# Altium PCB Copy of FPGA_Module.PcbDoc (part 3 of 3)
Units mm, origin at the board's own origin, x right, y up, seen from the top; angles counter-clockwise.
Board outline 40 x 50 mm, 6 copper layers (Top Layer, Int1 (GND), Int2 (Sign), Int3 (Sign), Int4 (GND), Bottom Layer), stack 1.49 mm thick; 166 components, 203 nets, 1172 pads, 436 vias.
Unrouted connection lines stored in the file: 464.
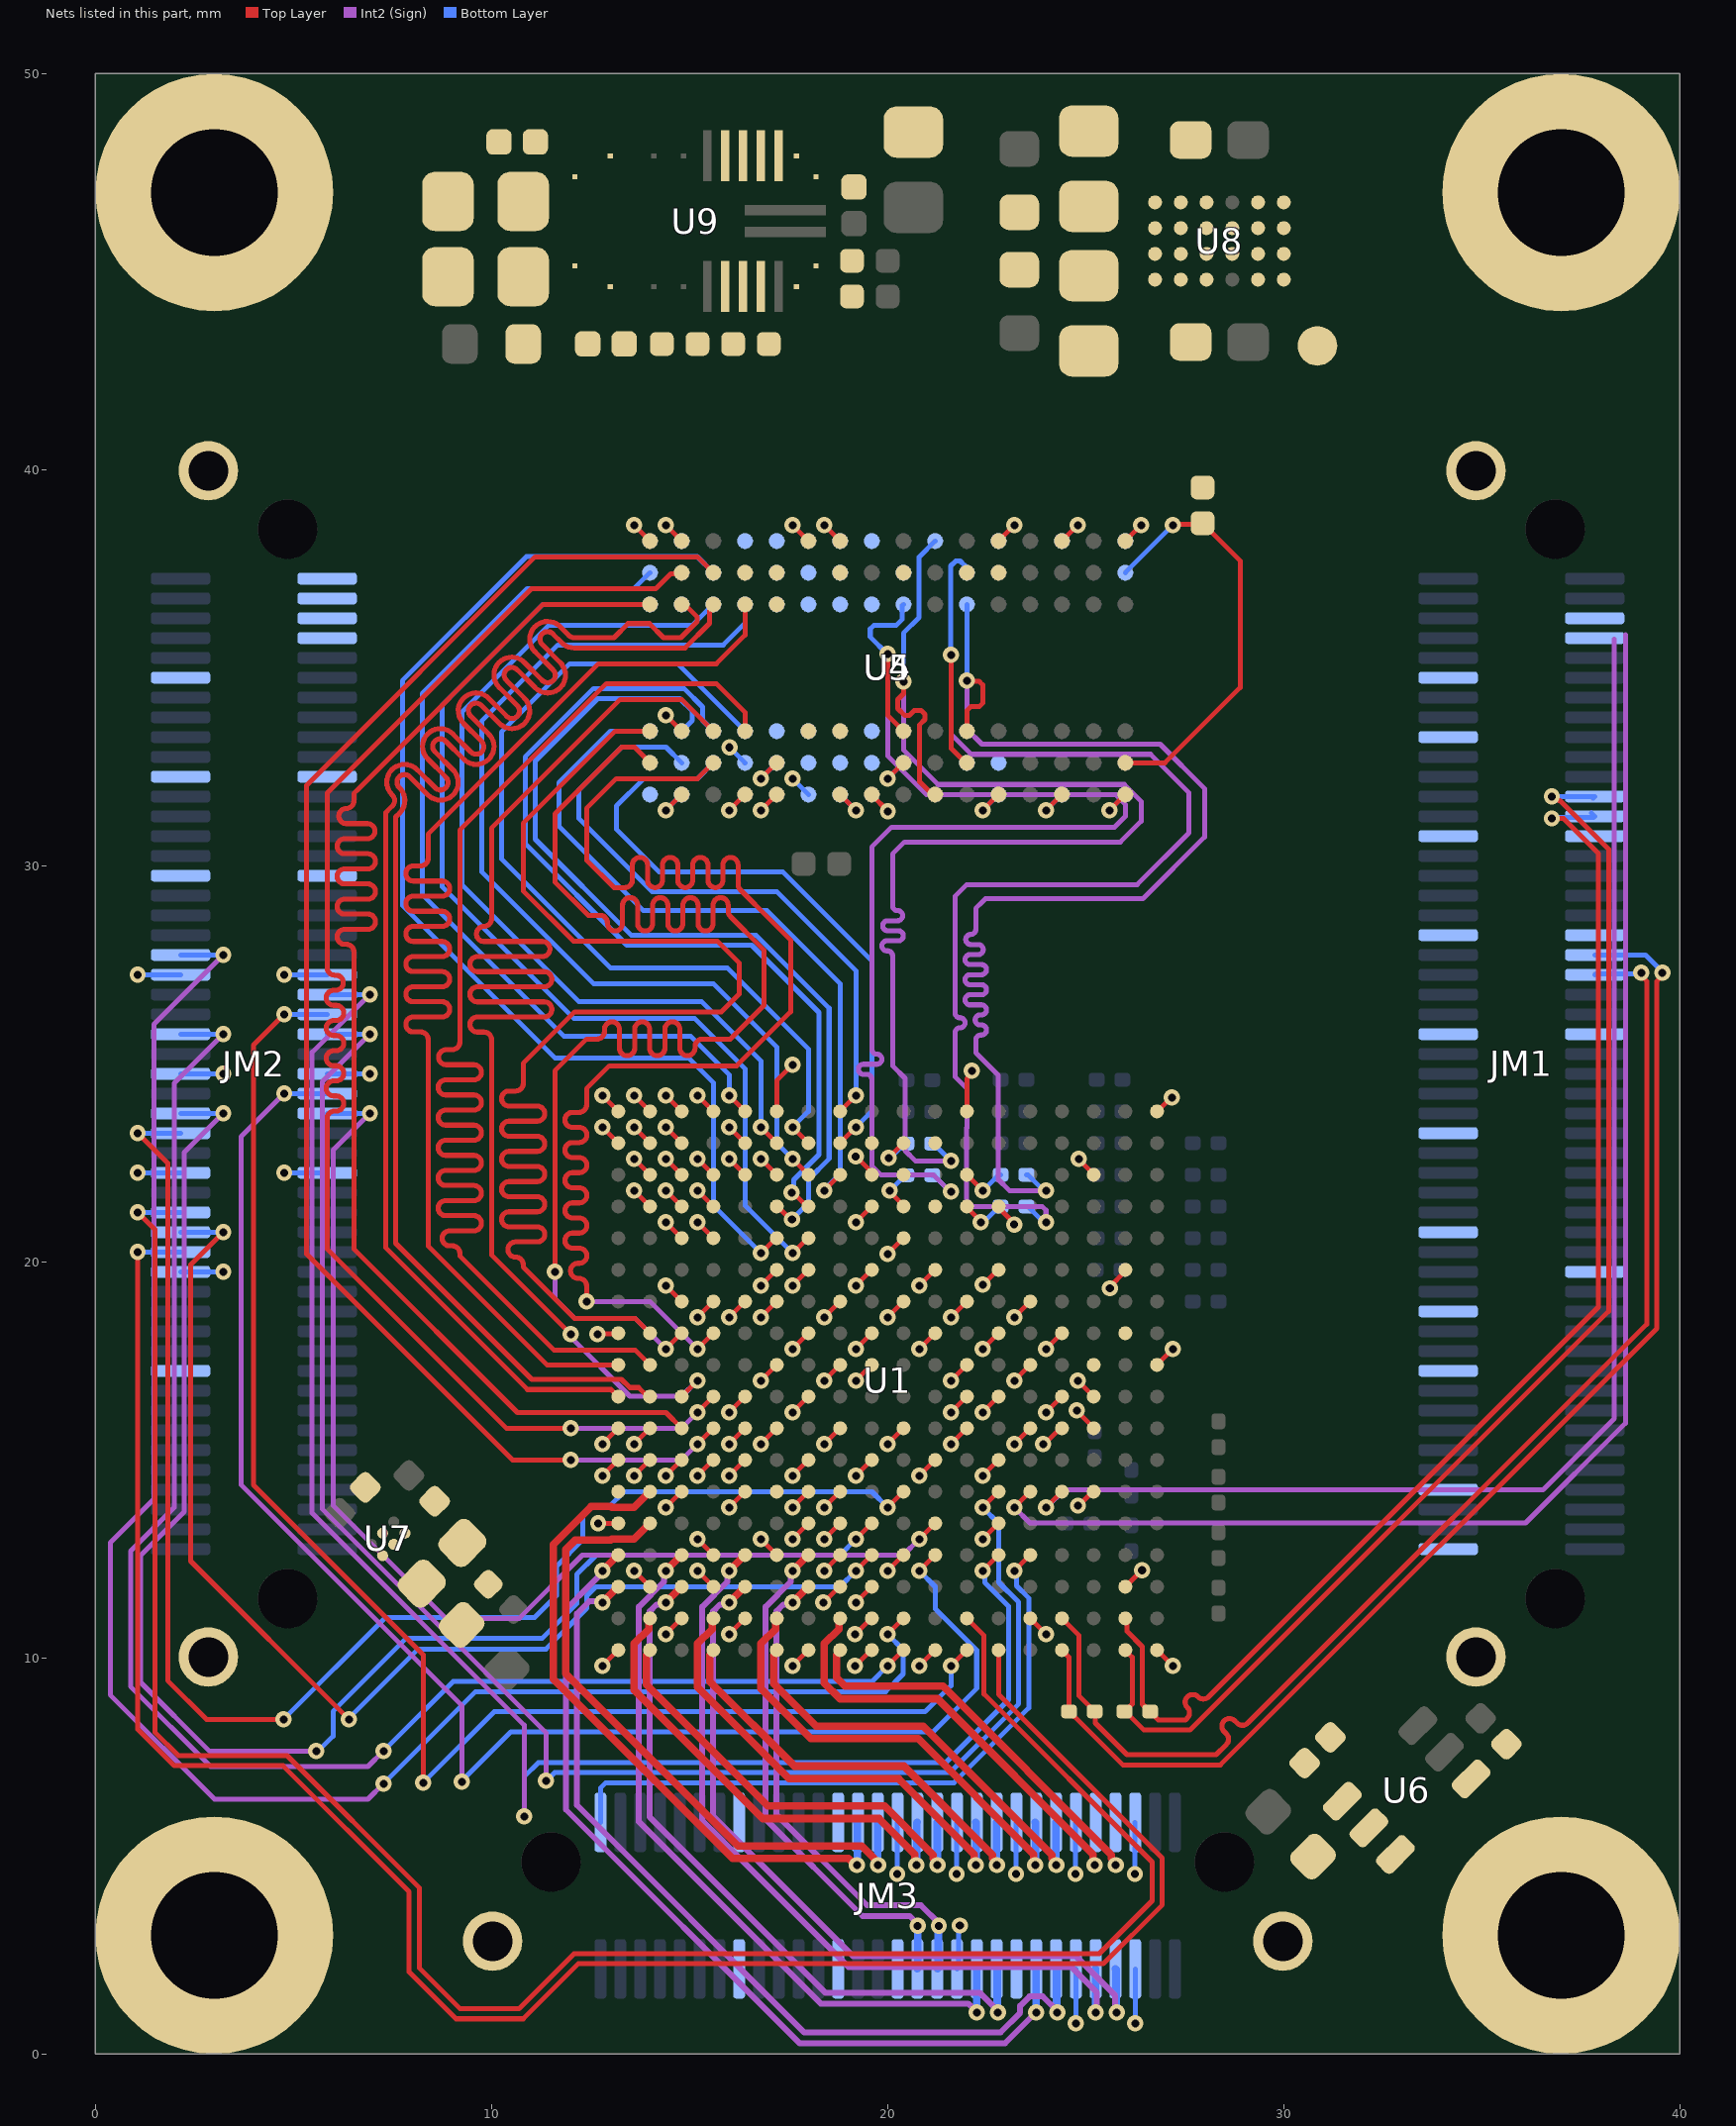
[diagram p6: the nets of this part, all layers, seen from the top]

## Via types
v1: diameter 0.406, hole 0.203, Top Layer to Bottom Layer, tented both sides, 436 vias

## Nets (pads, with @x,y where several pads share a name; then routed paths per layer and width w, separated by ;. In a path a pad name is that pad's centre, name@x,y a point inside that pad or via, vN(x,y) a via of type N, cw(c..) or ccw(c..) an arc to the next point about the centre after c; other vN are vias at no path point) (continued)
DDR3_D8: U1.A10 U4.D7 | length 37.6
  Top Layer w0.127: U1.A10@13.2,17.4 11.4,17.4 8.4,20.4 8.4,25.39 8.4,25.55 8.4,25.614 ccw(c8.21,25.614) 8.21,25.804 8.027,25.804 cw(c8.027,25.995) 8.027,26.185 8.755,26.185 ccw(c8.755,26.376) 8.755,26.566 8.027,26.566 cw(c8.027,26.757) 8.027,26.947 8.755,26.947 ccw(c8.755,27.138) 8.755,27.328 8.027,27.328 cw(c8.027,27.519) 8.027,27.709 8.755,27.709 ccw(c8.755,27.9) 8.755,28.09 8.027,28.09 cw(c8.027,28.281) 8.027,28.471 8.755,28.471 ccw(c8.755,28.662) 8.755,28.852 8.027,28.852 cw(c8.027,29.043) 8.027,29.233 8.755,29.233 ccw(c8.755,29.424) 8.755,29.614 8.027,29.614 cw(c8.027,29.805) 8.027,29.995 8.21,29.995 ccw(c8.21,30.186) 8.4,30.186 8.4,30.591 8.4,30.8 12.7,35.1 15.675,35.1 16.4,35.825 U4.D7@16.4,36.6
DDR3_D9: U1.C9 U4.C3 | length 37.2
  Top Layer w0.127: v1(12,18.175) 10,20.175 10,25.548 10,25.612 ccw(c9.81,25.612) 9.81,25.802 9.644,25.802 cw(c9.644,25.993) 9.644,26.183 11.334,26.183 ccw(c11.334,26.374) 11.334,26.564 9.644,26.564 cw(c9.644,26.755) 9.644,26.945 11.334,26.945 ccw(c11.334,27.136) 11.334,27.326 9.644,27.326 cw(c9.644,27.517) 9.644,27.707 11.284,27.707 ccw(c11.284,27.898) 11.284,28.088 9.809,28.088 cw(c9.809,28.279) 9.809,28.469 ccw(c9.81,28.66) 10,28.66 10,30.95 13.25,34.2 14.8,34.2 U4.C3@15.6,33.4 ; U1.C9@14.838,16.638 v1(15.2,17)
  Int2 (Sign) w0.127: v1(12,18.175) 12,18.1 13.494,16.606 14.806,16.606 v1(15.2,17)
DDR3_D10: U1.D8 U4.C8 | length 37.4
  Top Layer w0.127: v1(12,15) 10.53,15 5.335,20.196 5.335,32.035 11.1,37.8 15.2,37.8 U4.C8@15.6,37.4 ; v1(15.2,15.4) U1.D8@15.562,15.762
  Int2 (Sign) w0.127: v1(12,15) 14.8,15 v1(15.2,15.4)
DDR3_D11: U1.D11 U4.C2 | length 37.2
  Top Layer w0.127: v1(12.4,19) 12.4,19.33 12.4,19.393 ccw(c12.21,19.393) 12.21,19.584 12.184,19.584 cw(c12.184,19.774) 12.184,19.965 12.216,19.965 ccw(c12.216,20.155) 12.216,20.346 12.044,20.346 cw(c12.044,20.536) 12.044,20.727 12.216,20.727 ccw(c12.216,20.917) 12.216,21.108 12.044,21.108 cw(c12.044,21.298) 12.044,21.489 12.216,21.489 ccw(c12.216,21.679) 12.216,21.87 12.044,21.87 cw(c12.044,22.06) 12.044,22.251 12.216,22.251 ccw(c12.216,22.441) 12.216,22.632 12.044,22.632 cw(c12.044,22.822) 12.044,23.013 12.216,23.013 ccw(c12.216,23.203) 12.216,23.394 12.044,23.394 cw(c12.044,23.584) 12.044,23.775 12.21,23.775 ccw(c12.21,23.965) 12.4,23.965 12.4,24.375 12.975,24.95 16.188,24.95 17.55,26.312 17.55,28.125 17.05,28.625 16.28,29.395 cw(c16.415,29.529) 16.224,29.529 16.224,30.021 ccw(c16.034,30.021) 15.843,30.021 15.843,29.641 cw(c15.653,29.641) 15.462,29.641 15.462,30.021 ccw(c15.272,30.021) 15.081,30.021 15.081,29.641 cw(c14.891,29.641) 14.7,29.641 14.7,30.021 ccw(c14.51,30.021) 14.319,30.021 14.319,29.641 cw(c14.129,29.641) 13.938,29.641 13.938,30.021 ccw(c13.748,30.021) 13.557,30.021 13.557,29.64 cw(c13.367,29.64) 13.367,29.45 13.09,29.45 12.4,30.14 12.4,31.45 13.149,32.199 15.199,32.199 U4.C2@15.6,32.6 ; v1(15.2,17.8) U1.D11@15.562,18.162
  Int2 (Sign) w0.127: v1(12.4,19) 14,19 v1(15.2,17.8)
DDR3_D12: U1.C8 U4.A7 | length 37.9
  Top Layer w0.127: U4.A7@14,36.6 11.3,36.6 6.629,31.929 6.525,31.825 6.525,31.636 cw(c6.335,31.636) 6.335,31.446 ccw(c6.334,31.255) 6.334,31.065 6.866,31.065 cw(c6.866,30.874) 6.866,30.684 6.295,30.684 ccw(c6.295,30.493) 6.295,30.303 6.88,30.303 cw(c6.88,30.112) 6.88,29.922 6.295,29.922 ccw(c6.295,29.731) 6.295,29.541 6.88,29.541 cw(c6.88,29.35) 6.88,29.16 6.295,29.16 ccw(c6.295,28.969) 6.295,28.779 6.88,28.779 cw(c6.88,28.588) 6.88,28.398 6.295,28.398 ccw(c6.295,28.207) 6.295,28.017 6.335,28.017 cw(c6.335,27.826) 6.525,27.826 6.525,27.763 6.525,20.325 10.655,16.195 14.405,16.195 U1.C8@14.8,15.8
DDR3_D13: U1.C11 U4.A2 | length 37.2
  Top Layer w0.127: v1(11.6,19.75) 11.6,24.825 12.4,25.625 12.597,25.625 12.661,25.625 ccw(c12.661,25.816) 12.851,25.816 12.851,25.869 cw(c13.042,25.869) 13.232,25.869 13.232,25.395 ccw(c13.423,25.395) 13.613,25.395 13.613,25.869 cw(c13.804,25.869) 13.994,25.869 13.994,25.395 ccw(c14.185,25.395) 14.375,25.395 14.375,25.869 cw(c14.566,25.869) 14.756,25.869 14.756,25.395 ccw(c14.947,25.395) 15.137,25.395 15.137,25.435 cw(c15.328,25.435) 15.328,25.625 15.906,25.625 16.031,25.625 16.875,26.469 16.875,27.875 16.8,27.95 16.03,28.72 cw(c16.165,28.854) 15.974,28.854 15.974,29.005 ccw(c15.784,29.005) 15.593,29.005 15.593,28.544 cw(c15.403,28.544) 15.212,28.544 15.212,29.005 ccw(c15.022,29.005) 14.831,29.005 14.831,28.544 cw(c14.641,28.544) 14.45,28.544 14.45,29.005 ccw(c14.26,29.005) 14.069,29.005 14.069,28.544 cw(c13.879,28.544) 13.688,28.544 13.688,29.005 ccw(c13.498,29.005) 13.307,29.005 13.307,28.544 cw(c13.117,28.544) 12.926,28.544 12.926,28.56 ccw(c12.736,28.56) 12.736,28.75 12.44,28.75 11.6,29.59 11.6,31.307 13.287,32.994 13.613,32.994 14,32.607 U4.A2@14,32.6 ; v1(14.4,17.8) U1.C11@14.762,18.162
  Int2 (Sign) w0.127: v1(11.6,19.75) 11.6,19.075 12.1,18.575 13.625,18.575 v1(14.4,17.8)
DDR3_D14: U1.D9 U4.B8 | length 37.4
  Top Layer w0.127: v1(12,15.8) 10.375,15.8 5.85,20.325 5.85,23.174 5.85,23.618 cw(c6.041,23.618) 6.041,23.809 6.081,23.809 ccw(c6.081,23.999) 6.081,24.19 6.019,24.19 cw(c6.019,24.38) 6.019,24.571 6.081,24.571 ccw(c6.081,24.761) 6.081,24.952 6.019,24.952 cw(c6.019,25.142) 6.019,25.333 6.081,25.333 ccw(c6.081,25.523) 6.081,25.714 6.019,25.714 cw(c6.019,25.904) 6.019,26.095 6.081,26.095 ccw(c6.081,26.285) 6.081,26.476 6.019,26.476 cw(c6.019,26.666) 6.019,26.857 6.07,26.857 ccw(c6.07,27.047) 6.07,27.238 6.041,27.238 cw(c6.041,27.428) 5.85,27.428 5.85,27.703 5.85,31.834 11.006,36.99 14.143,36.99 14.527,37.375 14.775,37.375 U4.B8@14.8,37.4 ; v1(15.2,16.2) U1.D9@15.562,16.562
  Int2 (Sign) w0.127: v1(12,15.8) 14.8,15.8 v1(15.2,16.2)
DDR3_D15: U1.B11 U4.A3 | length 37.8
  Top Layer w0.127: U1.B11@14,18.2 13.625,18.575 12.093,18.575 10.8,19.868 10.8,19.932 ccw(c10.61,19.932) 10.61,20.122 10.602,20.122 cw(c10.602,20.313) 10.602,20.503 11.155,20.503 ccw(c11.155,20.694) 11.155,20.884 10.445,20.884 cw(c10.445,21.075) 10.445,21.265 11.155,21.265 ccw(c11.155,21.456) 11.155,21.646 10.445,21.646 cw(c10.445,21.837) 10.445,22.027 11.155,22.027 ccw(c11.155,22.218) 11.155,22.408 10.445,22.408 cw(c10.445,22.599) 10.445,22.789 11.155,22.789 ccw(c11.155,22.98) 11.155,23.17 10.445,23.17 cw(c10.445,23.361) 10.445,23.551 11.155,23.551 ccw(c11.155,23.742) 11.155,23.932 10.445,23.932 cw(c10.445,24.123) 10.445,24.313 10.61,24.313 ccw(c10.61,24.504) 10.8,24.504 10.8,25.013 12.1,26.313 15.802,26.313 16.25,26.761 16.25,27.55 15.7,28.1 12.065,28.1 10.8,29.365 10.8,31.076 13.124,33.4 U4.A3@14,33.4
DDR3_D16: U1.C18 U5.E3 | length 0.5
  Top Layer w0.127: v1(14.4,24.2) U1.C18@14.762,23.838
DDR3_D17: U1.D15 U5.F7 | length 0.5
  Top Layer w0.127: v1(15.2,21.8) U1.D15@15.562,21.438
DDR3_D18: U1.E16 U5.F2 | length 0.5
  Top Layer w0.127: v1(16,22.6) U1.E16@16.362,22.238
DDR3_D19: U1.D16 U5.F8 | length 0.5
  Top Layer w0.127: v1(15.2,22.6) U1.D16@15.562,22.238
DDR3_D20: U1.C16 U5.H3 | length 0.5
  Top Layer w0.127: v1(14.4,22.6) U1.C16@14.762,22.238
DDR3_D21: U1.B17 U5.H8 | length 0.5
  Top Layer w0.127: v1(13.6,23.4) U1.B17@13.962,23.038
DDR3_D22: U1.E17 U5.G2 | length 0.5
  Top Layer w0.127: v1(16,23.4) U1.E17@16.362,23.038
DDR3_D23: U1.D18 U5.H7 | length 0.5
  Top Layer w0.127: v1(15.2,24.2) U1.D18@15.562,23.838
DDR3_D24: U1.G17 U5.D7 | length 23.2
  Top Layer w0.127: v1(17.6,23.4) U1.G17@17.962,23.038
  Bottom Layer w0.127: U5.D7@16.4,33.4 14.7,35.1 11.975,35.1 10.25,33.375 10.25,30.175 13,27.425 15.95,27.425 18,25.375 18,23.8 v1(17.6,23.4)
DDR3_D25: U1.F17 U5.C3 | length 23.4
  Top Layer w0.127: v1(16.8,23.4) U1.F17@17.162,23.038
  Bottom Layer w0.127: U5.C3@15.6,36.6 15.075,36.075 11.45,36.075 9.25,33.875 9.25,29.525 12.2,26.575 15.3,26.575 16.8,25.075 v1(16.8,23.4)
DDR3_D26: U1.H17 U5.C8 | length 16.2
  Top Layer w0.127: U1.H17@18.838,23.038 v1(19.2,23.4)
  Bottom Layer w0.127: U5.C8@15.6,32.6 15.191,32.191 13.834,32.191 13.15,31.507 13.15,30.925 14.225,29.85 17.35,29.85 19.6,27.6 19.6,23.799 v1(19.2,23.4)
DDR3_D27: U1.F14 U5.C2 | length 30
  Top Layer w0.127: v1(16.8,20.225) 16.813,20.225 17.162,20.575 U1.F14@17.162,20.587
  Bottom Layer w0.127: U5.C2@15.6,37.4 15.191,37.81 10.885,37.81 7.75,34.675 7.75,29 11.6,25.15 14.975,25.15 15.6,24.525 15.6,21.425 v1(16.8,20.225)
DDR3_D28: U1.H16 U5.A7 | length 18.6
  Top Layer w0.127: v1(18.4,21.8) U1.H16@18.762,22.162
  Bottom Layer w0.127: U5.A7@14,33.4 13,33.4 11.7,32.1 11.7,31 13.825,28.875 16.95,28.875 18.8,27.025 18.8,22.225 v1@18.388,21.813
DDR3_D29: U1.E18 U5.A2 | length 22.8
  Top Layer w0.127: v1(16,24.2) U1.E18@16.362,23.838
  Bottom Layer w0.127: U5.A2@14,37.4 13.6,37 10.9,37 8.25,34.35 8.25,29.275 11.825,25.7 15.025,25.7 16,24.725 v1(16,24.2)
DDR3_D30: U1.H18 U5.B8 | length 16.2
  Top Layer w0.127: U1.H18@18.838,23.838 v1(19.2,24.2)
  Bottom Layer w0.127: U5.B8@14.8,32.6 14.406,32.994 13.287,32.994 12.2,31.907 12.2,31.2 14.05,29.35 17.2,29.35 19.2,27.35 v1(19.2,24.2)
DDR3_D31: U1.G14 U5.A3 | length 26.1
  Top Layer w0.127: v1(17.6,20.225) 17.613,20.225 17.962,20.575 U1.G14@17.962,20.587
  Bottom Layer w0.127: U5.A3@14,36.6 11.3,36.6 8.75,34.05 8.75,29.475 12.075,26.15 15.125,26.15 16.4,24.875 16.4,21.425 v1(17.6,20.225)
DDR3_DM0: U1.D14 U4.E7 | length 0.5
  Top Layer w0.127: v1(15.2,21) U1.D14@15.562,20.638
DDR3_DM1: U1.B10 U4.D3 | length 37.9
  Top Layer w0.127: U1.B10@14,17.4 13.625,17.775 11.575,17.775 9.2,20.15 9.2,20.214 ccw(c9.009,20.214) 9.009,20.404 8.946,20.404 cw(c8.946,20.595) 8.946,20.785 9.556,20.785 ccw(c9.556,20.976) 9.556,21.166 8.845,21.166 cw(c8.845,21.357) 8.845,21.547 9.556,21.547 ccw(c9.556,21.738) 9.556,21.928 8.845,21.928 cw(c8.845,22.119) 8.845,22.309 9.556,22.309 ccw(c9.556,22.5) 9.556,22.69 8.845,22.69 cw(c8.845,22.881) 8.845,23.071 9.556,23.071 ccw(c9.556,23.262) 9.556,23.452 8.845,23.452 cw(c8.845,23.643) 8.845,23.833 9.556,23.833 ccw(c9.556,24.024) 9.556,24.214 8.845,24.214 cw(c8.845,24.405) 8.845,24.595 9.556,24.595 ccw(c9.556,24.786) 9.556,24.976 8.856,24.976 cw(c8.856,25.167) 8.856,25.357 9.009,25.357 ccw(c9.009,25.548) 9.2,25.548 9.2,26.075 9.2,30.9 12.9,34.6 15.675,34.6 16.4,33.875 U4.D3@16.4,33.4
DDR3_DM2: U1.C17 U5.E7 | length 0.5
  Top Layer w0.127: v1(14.4,23.4) U1.C17@14.762,23.038
DDR3_DM3: U1.G16 U5.D3 | length 24.7
  Top Layer w0.127: v1(17.6,22.6) U1.G16@17.962,22.238
  Bottom Layer w0.127: U5.D3@16.4,36.6 16.4,36.125 15.85,35.575 11.675,35.575 9.75,33.65 9.75,29.85 12.575,27.025 15.6,27.025 17.2,25.425 17.2,23 v1(17.6,22.6)
DDR3_DQS0_N: U1.B15 U4.G3 | length 0.5
  Top Layer w0.127: v1(13.6,21.8) U1.B15@13.962,21.438
DDR3_DQS0_P: U1.C14 U4.F3 | length 0.5
  Top Layer w0.127: v1(14.4,21) U1.C14@14.762,20.638
DDR3_DQS1_N: U1.A9 U4.B7 | length 38.3
  Top Layer w0.127: 8.39,32.696 cw(c8.705,33.013) 8.389,33.33 cw(c8.705,33.013) 8.979,33.367 8.984,33.367 9.021,33.33 cw(c8.705,33.013) 9.023,33.329 9.48,32.871 ccw(c9.614,33.007) 9.749,32.872 ccw(c9.614,33.007) 9.748,33.142 9.292,33.598 cw(c9.608,33.916) 9.882,34.27 9.887,34.27 9.924,34.233 cw(c9.608,33.916) 9.925,34.232 ; 8.39,32.695 8.845,32.24 ; 8.846,31.969 cw(c8.712,32.104) 8.578,31.969 8.12,32.426 ccw(c7.803,32.11) 8.119,32.428 8.082,32.465 8.077,32.465 ccw(c7.803,32.11) 7.486,32.427 ccw(c7.803,32.11) 7.487,31.793 7.497,31.783 cw(c7.364,31.647) 7.498,31.512 7.363,31.376 7.325,31.339 7.325,20.361 10.909,16.777 13.014,16.777 13.191,16.6 U1.A9@13.2,16.6 ; 8.846,32.24 cw(c8.712,32.104) 8.847,31.97 ; 9.925,34.232 10.383,33.774 ccw(c10.517,33.909) 10.651,33.774 ; 10.195,34.501 10.65,34.045 ; 10.195,34.501 cw(c10.511,34.818) 10.194,35.135 cw(c10.511,34.818) 10.784,35.172 10.79,35.172 10.826,35.136 cw(c10.511,34.818) 10.828,35.134 11.285,34.677 ccw(c11.419,34.812) 11.554,34.677 ; 10.651,34.045 cw(c10.517,33.909) 10.652,33.775 ; 11.097,35.404 cw(c11.413,35.721) 11.097,36.037 cw(c11.413,35.721) 11.687,36.075 11.692,36.075 11.729,36.038 cw(c11.413,35.721) 11.73,36.037 11.953,35.814 ccw(c12.089,35.948) 12.089,35.757 12.895,35.757 13.091,35.757 13.449,36.115 13.603,36.115 13.985,36.115 14.343,35.757 14.779,35.757 15.195,36.173 15.195,36.278 14.874,36.6 U4.B7@14.8,36.6 ; 11.098,35.403 11.553,34.948 ; 11.553,34.947 cw(c11.42,34.812) 11.555,34.678
DDR3_DQS1_P: U1.B9 U4.C7 | length 38.3
  Top Layer w0.127: 7.668,32.245 ccw(c7.803,32.11) 7.668,31.976 7.68,31.964 cw(c7.364,31.647) 7.681,31.963 7.718,31.926 7.718,31.921 cw(c7.364,31.647) 7.681,31.331 ; 7.669,32.246 cw(c7.803,32.11) 7.938,32.244 ; 7.68,31.33 7.582,31.232 7.582,31.157 7.582,20.468 11.015,17.035 13.282,17.035 13.491,16.826 13.714,16.826 13.94,16.6 U1.B9@14,16.6 ; 7.939,32.244 8.394,31.789 ccw(c8.712,32.104) 9.028,31.788 ccw(c8.712,32.104) 9.066,32.378 9.066,32.383 9.029,32.42 ccw(c8.712,32.104) 9.028,32.421 8.57,32.879 cw(c8.705,33.013) 8.57,33.147 cw(c8.705,33.013) 8.841,33.147 9.297,32.691 ccw(c9.614,33.007) 9.931,32.69 ccw(c9.614,33.007) 9.969,33.281 9.969,33.286 9.932,33.323 ccw(c9.614,33.007) 9.93,33.324 9.473,33.782 cw(c9.608,33.916) 9.744,34.05 10.199,33.594 ; 10.2,33.593 ccw(c10.517,33.909) 10.834,33.593 ccw(c10.517,33.909) 10.871,34.183 10.871,34.188 10.834,34.225 ccw(c10.517,33.909) 10.833,34.226 10.375,34.684 cw(c10.511,34.818) 10.375,34.952 ; 10.376,34.953 cw(c10.511,34.818) 10.646,34.952 11.102,34.496 ccw(c11.419,34.812) 11.736,34.495 ccw(c11.42,34.812) 11.774,35.086 11.774,35.091 11.737,35.128 ccw(c11.42,34.812) 11.736,35.129 11.278,35.587 cw(c11.413,35.721) 11.278,35.855 cw(c11.413,35.721) 11.549,35.855 11.772,35.632 ccw(c12.089,35.948) 12.089,35.5 12.895,35.5 13.349,35.5 14.886,35.5 15.505,36.119 15.505,36.431 15.6,36.526 U4.C7@15.6,36.6
DDR3_DQS2_N: U1.A17 U5.G3 | length 0.5
  Top Layer w0.127: v1(12.8,23.4) U1.A17@13.162,23.038
DDR3_DQS2_P: U1.B16 U5.F3 | length 0.5
  Top Layer w0.127: v1(13.6,22.6) U1.B16@13.962,22.238
DDR3_DQS3_N: U1.F15 U5.B7 | length 22.7
  Top Layer w0.127: U1.F15@17.125,21.438 U1.F15@17.162,21.438 ; U1.F15@17.234,21.383 v1@17.547,21.07
  Bottom Layer w0.127: U5.B7@14.8,33.4 15.071,33.671 15.071,33.904 14.757,34.218 12.682,34.218 11.107,32.643 11.107,30.668 13.525,28.25 16.675,28.25 18.524,26.401 18.524,22.604 18.006,22.086 18.006,21.492 v1(17.584,21.07)
DDR3_DQS3_P: U1.G15 U5.C7 | length 22.8
  Top Layer w0.127: v1(17.575,21.75) 17.613,21.75 17.925,21.438 U1.G15@17.962,21.438
  Bottom Layer w0.127: U5.C7@15.6,33.4 15.329,33.671 15.329,34.01 14.864,34.475 12.575,34.475 10.85,32.75 10.85,30.561 13.418,27.993 16.568,27.993 18.267,26.294 18.267,22.71 17.628,22.072 17.628,21.803 v1(17.575,21.75)
DDR3_ODT: R36.1 U1.K17 | length 1.1
  Top Layer w0.127: v1(20.025,22.625) U1.K17@20.4,23
  Bottom Layer w0.127: v1(20.025,22.625) 20.072,22.625 20.435,22.989 R36.1@20.473,22.989
DDR3_ODT_T: R36.2 U4.K1 U5.K1 | length 34.2
  Top Layer w0.127: v1(20.4,34.65) 20.404,34.647 20.404,34.344 20.255,34.196 20.255,33.973 20.438,33.791 20.541,33.791 20.67,33.92 20.845,33.92 20.941,33.825 20.941,33.693 20.809,33.562 20.809,32.119 21.129,31.8 U4.K1@21.2,31.8
  Int2 (Sign) w0.127: v1(20.4,34.65) 20.4,32.925 21.272,32.053 25.972,32.053 26.4,31.625 26.4,31.125 25.875,30.6 20.425,30.6 20.125,30.3 20.125,28.994 ccw(c20.252,28.994) 20.252,28.867 cw(c20.252,28.74) 20.252,28.613 20.001,28.613 ccw(c20.001,28.486) 20.001,28.359 20.269,28.359 cw(c20.269,28.232) 20.269,28.105 19.981,28.105 ccw(c19.981,27.978) 19.981,27.851 19.998,27.851 cw(c19.998,27.724) 20.125,27.724 20.125,27.661 20.125,24.95 20.439,24.636 20.439,22.811 20.7,22.55 v1(21.6,22.55)
  Bottom Layer w0.127: v1(20.4,34.65) 20.4,35.875 20.79,36.266 20.79,37.791 U5.K1@21.2,38.2 ; R36.2@21.156,22.988 21.593,22.55 v1(21.6,22.55)
DDR3_RAS: R19.1 U1.K15 | length 1.1
  Top Layer w0.127: v1(20.05,21.8) 20.05,21.775 20.4,21.425 U1.K15@20.4,21.4
  Bottom Layer w0.127: v1(20.05,21.8) 20.06,21.8 20.448,22.189 R19.1@20.473,22.189
DDR3_RAS_T: R19.2 U4.J3 U5.J3 | length 32.2
  Top Layer w0.127: v1(20,35.35) 20,33.8 U4.J3@20.4,33.4
  Int2 (Sign) w0.127: v1(20,35.35) 20,32.775 20.976,31.799 25.751,31.799 25.756,31.794 25.763,31.794 25.994,31.563 25.994,31.556 26,31.55 26,31.243 25.732,30.975 20.1,30.975 19.6,30.475 19.6,27.283 19.6,25.371 ccw(c19.727,25.371) 19.727,25.244 cw(c19.727,25.117) 19.727,24.99 19.388,24.99 ccw(c19.388,24.863) 19.388,24.736 19.473,24.736 cw(c19.473,24.609) 19.6,24.609 19.6,24.545 19.6,22.425 19.825,22.2 21.15,22.2 v1@21.588,21.762
  Bottom Layer w0.127: v1@19.994,35.344 19.56,35.779 19.56,35.976 19.659,36.075 20.221,36.075 20.363,36.217 20.363,36.563 U5.J3@20.4,36.6 ; R19.2@21.123,22.189 21.161,22.189 21.575,21.775 v1(21.6,21.775)